# Altium PCB LimeNet-Micro_2v1.PcbDoc (part 11 of 11)
Units mm, origin at the board's own origin, x right, y up, seen from the top; angles counter-clockwise.
Board outline 75 x 143 mm, 6 copper layers (Top, L2, L3, L4, L5, Bottom), stack 1.583 mm thick; 795 components, 565 nets, 3646 pads, 1420 vias.
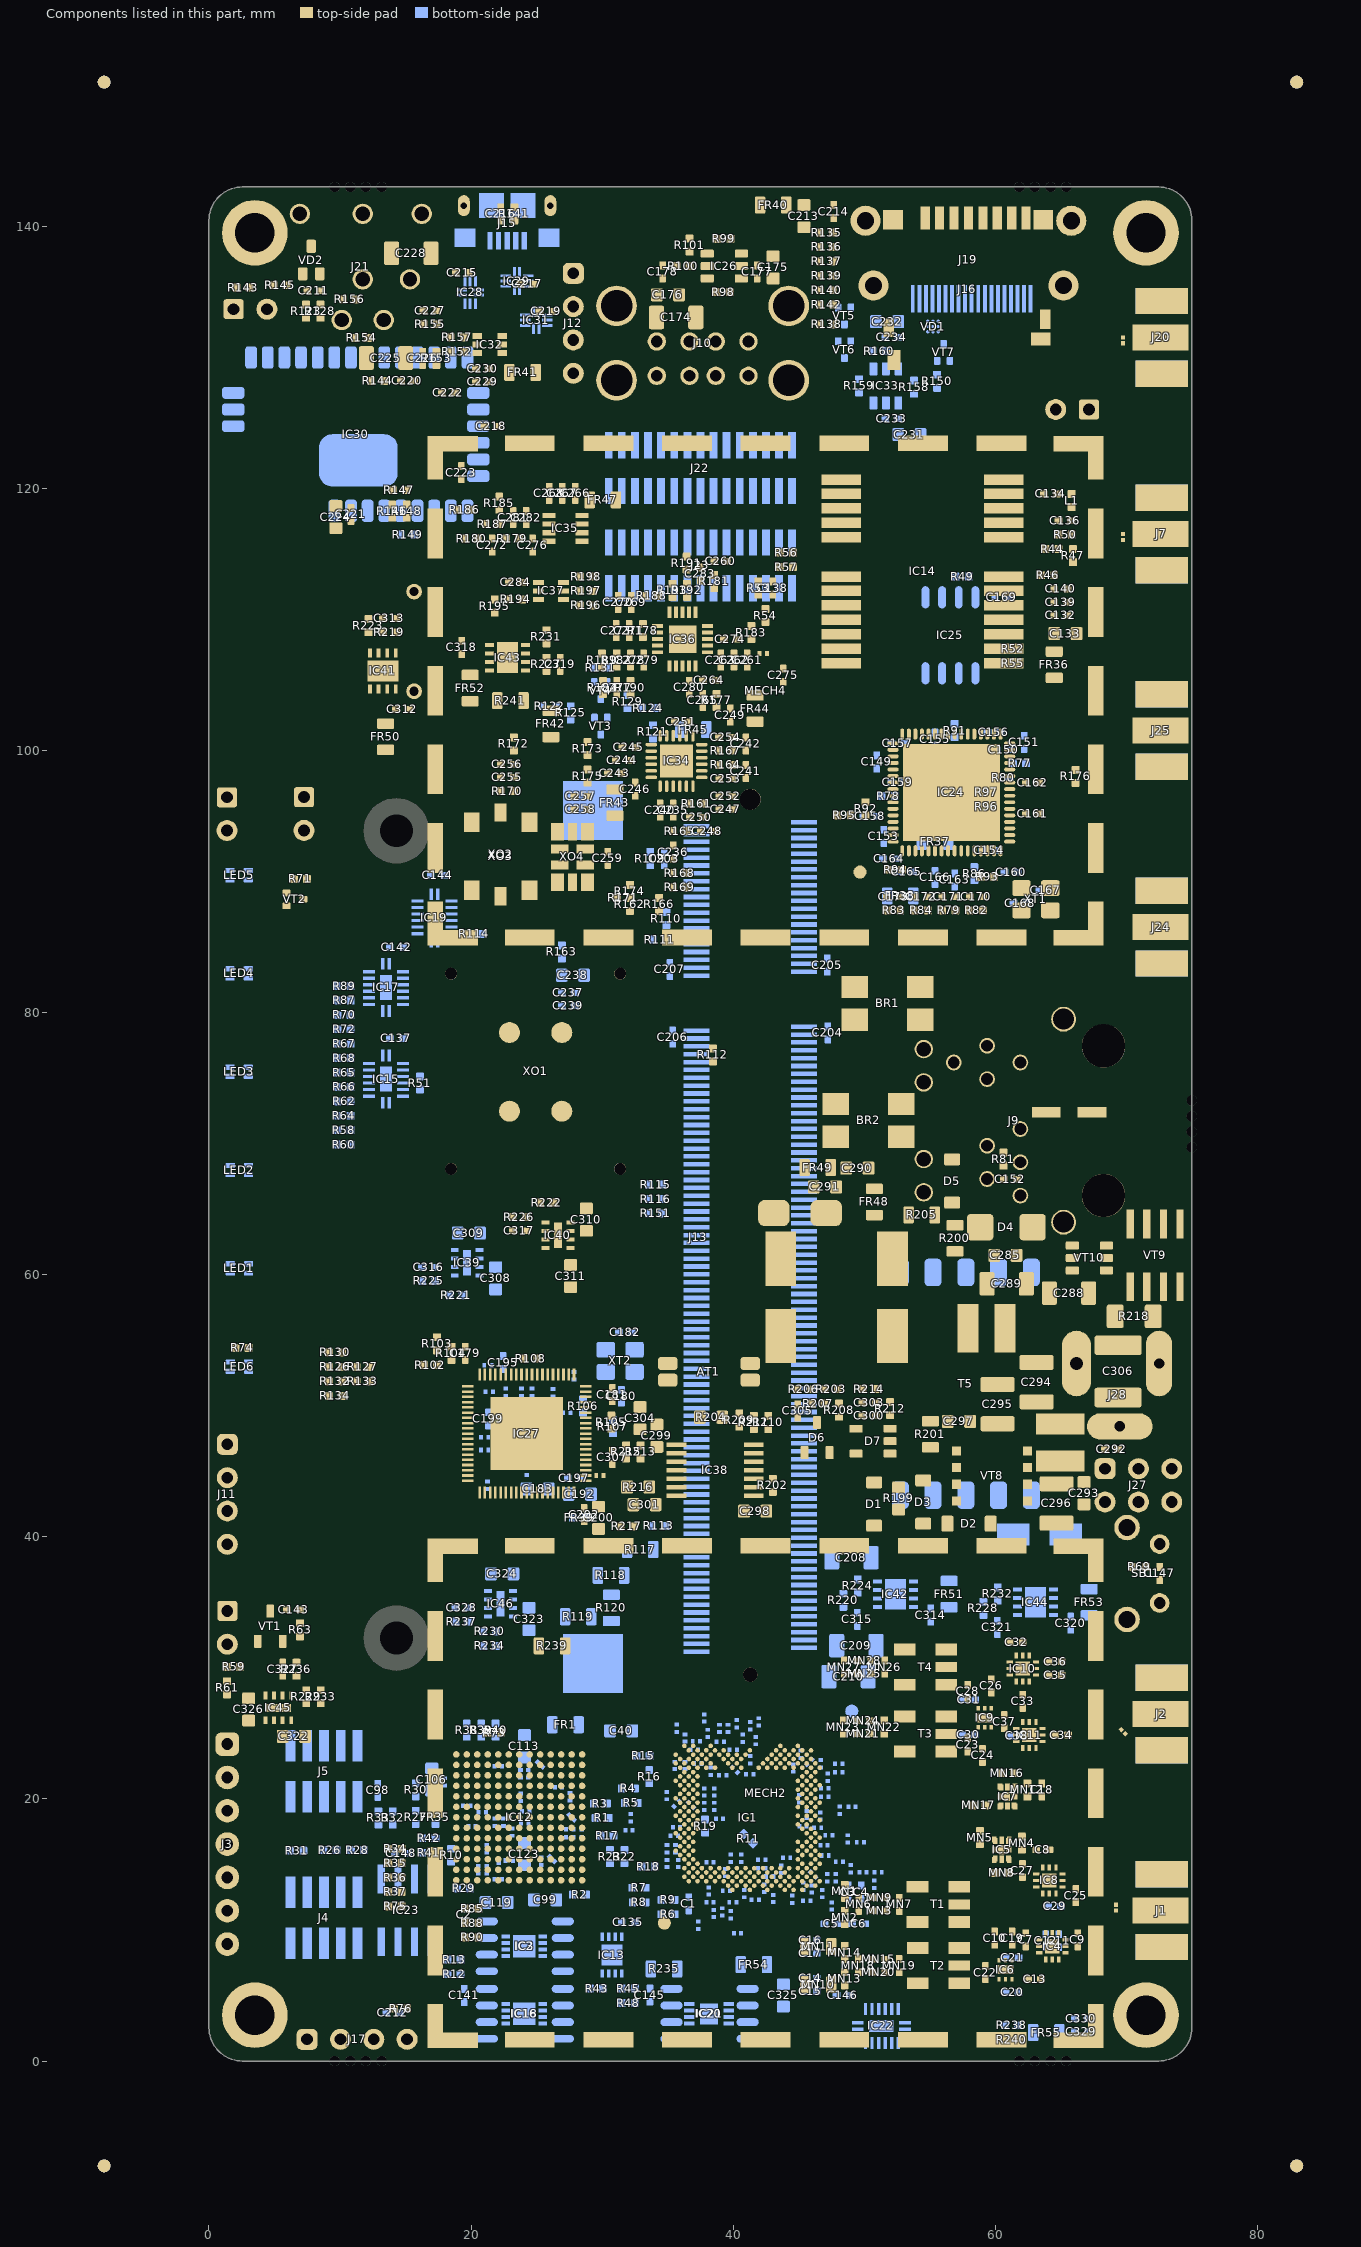
[diagram p15: the components of this part, seen from the top]

## Silkscreen, mask and mechanical layers (free items; w line width, h text height) (continued)
ASM BOT:
  circle w0.15: c73.45,45.2 r0.25
  circle w0.15: c73.475,42.625 r0.25
  circle w0.15: c67.15,126.025 r0.25
  lines w0.1: 17.325,13.65 18.477,15.7 ; 52.1,131.525 53.575,131.7 ; 67.275,124.3 69.322,123.763 ; 73.525,43.875 78,42.7
  lines w0.15: 14.889,19.865 15.772,18.594 ; 16.35,27.075 19.825,22.125 20.275,20.55 ; 16.772,14.6 16.772,15.894 ; 16.772,16.994 18.075,16.994 ; 18.95,32.2 21.405,32.775 ; 19.325,20.2 19.692,19.469 ; 19.65,17.15 20.097,17.894 ; 20.872,18.969 20.925,19.475 ; 22.097,13.869 22.85,13.6 ; 22.75,15.8 22.942,15.3 ; 23.25,20.6 23.822,20.119 ; 23.275,18.8 24.025,18.15 ; 24.197,19.069 24.975,19.2 ; 24.397,21.919 24.697,21.344 ; 25.372,15.244 25.825,14.525 ; 26.8,18.3 27.547,17.669 ; 27.45,20.35 27.978,21.131 ; 27.547,17.069 27.75,16.575 ; 27.697,18.594 28.025,19.025 ; 30.372,17.194 32.425,16.975 ; 31.3,14.275 31.697,15.594 ; 32.072,17.594 32.825,17.725 ; 46.575,36.75 49.505,36.75 49.505,36.254 ; 46.725,35.225 46.725,35.154 48.405,35.154
  lines w0.2: 48.95,18.275 75.4,18.275 ; 75.4,0.975 75.4,28.25 100.775,28.25 100.775,0.975 75.4,0.975
  lines w0.3: 0,2.54 ccw(c2.54,2.54) 2.54,0 72.46,0 ccw(c72.46,2.54) 75,2.54 75,140.46 ccw(c72.46,140.46) 72.46,143 2.54,143 ccw(c2.54,140.46) 0,140.46 0,2.54 ; 66.35,122.9 68,122.9 68,126.65 66.35,126.65 66.35,122.9 ; 72.65,42.075 72.65,45.825 74.3,45.825 74.3,42.075 72.65,42.075
  text "Assembly bottom" at 45.8,144.55 h1.25
  text "JMP1" at 70.725,122.675 h0.55
  text "JMP3" at 79.175,41.625 h0.55
ASM TOP:
  drawing of 761 lines, arcs and shapes, not listed
  text "Assembly top" at 33.375,143.875 h1.25
  text "IC36" at 5.625,108.45 h1
  text "or" at 21.8,90.65 h0.55
  text "IC34" at 3.3,74.625 h1

## Dimensions
14.3,32.275 to 14.9,36.125 on Mechanical1
14.3,93.875 to 14.3,32.275 on Mechanical1
3.5,139.5 to 14.3,93.875 on Mechanical1
3.5,3.5 to 71.5,3.5 on Mechanical1
2.54,0 to 2.54,143 on Mechanical1
-15.2,158.2 to -15.2,-15.2 on Mechanical1
0,2.54 to 75,2.54 on Mechanical1
-15.2,-15.2 to 90.2,-15.2 on Mechanical1
71.5,3.5 to 71.5,139.5 on Mechanical1
3.5,3.5 to 2.54,0 on Mechanical1
3.5,3.5 to 0,2.54 on Mechanical1

## Text inside footprints (layer, text, board x,y; h text height)
AT1: ASM TOP "4" at 34.45,51.225 h0.55; ASM TOP "1" at 41.625,51.225 h0.55
D1: ASM TOP "A" at 51.025,43.975 h0.55 r90; ASM TOP "C" at 51.025,40.6 h0.55 r90
D2: ASM TOP "A" at 56.2,40.725 h0.55; ASM TOP "C" at 59.65,40.75 h0.55
D3: ASM TOP "A" at 54.725,40.625 h0.55 r90; ASM TOP "C" at 54.775,44.225 h0.55 r90
D4: ASM TOP "A" at 62.325,63.35 h0.55; ASM TOP "C" at 58.95,63.35 h0.55
D5: ASM TOP "C" at 56.5,68.525 h0.55; ASM TOP "A" at 56.6,65.2 h0.55
IC1: Mechanical1 "0.2mm/0.5mm hole/ring vias under   / pad to be left open (no metal cap)" at 34.078,22.856 h0.35; ASM TOP "1) paste/pad ratio ~60% / 2) 4 thermal pad vias  / without metal cap / 3) all other thermal pad  / vias with metal cap" at 35.853,12.631 h0.4; ASM TOP "Footprint revision: r5" at 35.203,23.906 h0.4; ASM TOP "Pad size = 0.35mm / Pad paste mask = 0.35mm / No AM2 pad" at 36.628,21.506 h0.4
IC5: Mechanical13 "7" at 60.975,16.675 h0.2 r270; Mechanical13 "5" at 60.975,15.725 h0.2 r270; Mechanical13 "3" at 59.825,15.725 h0.2 r270; Mechanical13 "1" at 59.825,16.675 h0.2 r270; Mechanical13 "1" at 59.95,16.55 h0.2 r270; Mechanical13 "3" at 59.95,15.825 h0.2 r270; Mechanical13 "5" at 60.875,15.825 h0.2 r270; Mechanical13 "7" at 60.87,16.55 h0.2 r270
IC7: Mechanical13 "7" at 61.403,20.73 h0.2 r270; Mechanical13 "5" at 61.403,19.78 h0.2 r270; Mechanical13 "3" at 60.253,19.78 h0.2 r270; Mechanical13 "1" at 60.253,20.73 h0.2 r270; Mechanical13 "1" at 60.378,20.605 h0.2 r270; Mechanical13 "3" at 60.378,19.88 h0.2 r270; Mechanical13 "5" at 61.303,19.88 h0.2 r270; Mechanical13 "7" at 61.298,20.605 h0.2 r270
IC30: ASM BOT "14" at 20.225,129.6 h0.55; ASM BOT "29" at 10.05,117.925 h0.55; ASM BOT "21" at 20.25,117.95 h0.55; ASM BOT "1" at 3.4,129.6 h0.55; Mechanical13 "NO GND" at 3.8,121.64 h0.55 r180
J4: BottomOverlay "1" at 6.3,14.7 h0.55; BottomOverlay "9" at 11.55,14.725 h0.55; BottomOverlay "2" at 6.375,6.65 h0.55; BottomOverlay "10" at 11.825,6.6 h0.55
J5: BottomOverlay "1" at 6.25,26.075 h0.55; BottomOverlay "9" at 11.575,26.072 h0.55; BottomOverlay "2" at 6.35,17.716 h0.55; BottomOverlay "10" at 11.75,17.694 h0.55
J9: ASM BOT "Assembly Note: solder plated holes" at 67.725,62.95 h0.55 r270; ASM BOT "11" at 56.675,75.825 h0.55 r270; ASM BOT "10" at 59.15,76.975 h0.55 r270; ASM BOT "9" at 61.6,76.025 h0.55 r270; ASM BOT "8" at 59.075,74.725 h0.55 r270; ASM BOT "5" at 61.65,70.95 h0.55 r270; ASM BOT "4" at 59.088,69.625 h0.55 r270; ASM BOT "3" at 61.65,68.4 h0.55 r270; ASM BOT "2" at 59.125,67.075 h0.55 r270; ASM BOT "1" at 61.675,65.925 h0.55 r270; ASM BOT "board edge" at 71.875,69.125 h0.55 r270; ASM BOT "7 / (C)" at 53.9,65.65 h0.55 r270; ASM BOT "13 / (C)" at 53.725,73.975 h0.55 r270; ASM BOT "12 / (A)" at 53.85,76.425 h0.55 r270; ASM BOT "6 / (A)" at 53.85,68.2 h0.55 r270
J10: ASM BOT "T1" at 34.7,128.025 h0.55; ASM BOT "B1" at 34.625,130.825 h0.55; ASM BOT "B4" at 41.775,130.8 h0.55; ASM BOT "T4" at 41.775,128.1 h0.55; ASM BOT "PCB edge" at 39.625,139.65 h0.55
J13: ASM BOT "1" at 45.65,94 h0.55 r270; ASM BOT "2" at 37.15,94 h0.55 r270; ASM BOT "40" at 37.15,81.5 h0.55 r270; ASM BOT "39" at 45.15,82 h0.55 r270; ASM BOT "41" at 45.15,78.5 h0.55 r270; ASM BOT "42" at 37.15,78.5 h0.55 r270; ASM BOT "200" at 37.15,29.5 h0.55 r270; ASM BOT "199" at 45.15,29.5 h0.55 r270
J16: ASM TOP "8" at 62.075,139.25 h0.55; ASM TOP "1" at 54.525,139.25 h0.55
J19: ASM BOT "1" at 62.875,135.125 h0.55; ASM BOT "PCB edge" at 59.925,140.025 h0.55; ASM BOT "19" at 53.5,135.2 h0.55
J21: ASM BOT "Board edge" at 14.435,140.25 h0.55; ASM BOT "5" at 13.435,133.95 h0.55; ASM BOT "4" at 15.135,140.65 h0.55; ASM BOT "3" at 10.235,133.95 h0.55; ASM BOT "2" at 15.535,137.05 h0.55; ASM BOT "1" at 8.235,140.65 h0.55; BottomOverlay "1" at 5.85,141.075 h0.55; BottomOverlay "2" at 17.735,135.65 h0.55; BottomOverlay "3" at 10.235,131.25 h0.55; BottomOverlay "4" at 17.735,140.55 h0.55; BottomOverlay "5" at 13.435,131.15 h0.55
J22: ASM BOT "1" at 30,123.05 h0.55; ASM BOT "15" at 46,123.05 h0.55; ASM BOT "1" at 30,119.55 h0.55; ASM BOT "15" at 46,119.55 h0.55; BottomOverlay "1" at 29.8,118.75 h0.55; BottomOverlay "15" at 46.4,123.55 h0.55; BottomOverlay "1" at 29.8,123.55 h0.55; BottomOverlay "15" at 46.4,118.75 h0.55
J23: ASM BOT "1" at 30,112.125 h0.55; ASM BOT "1" at 30,115.625 h0.55; ASM BOT "15" at 46,112.125 h0.55; ASM BOT "15" at 46,115.625 h0.55; BottomOverlay "1" at 29.8,111.325 h0.55; BottomOverlay "15" at 46.4,116.125 h0.55; BottomOverlay "15" at 46.4,111.325 h0.55; BottomOverlay "1" at 29.8,116.125 h0.55
L2: ASM TOP "No polarity" at 57.725,54.2 h0.3
L3: ASM TOP "No polarity" at 63.35,48.175 h0.3
LED1: ASM BOT "C" at 1.65,60.225 h0.55; ASM BOT "A" at 3.25,60.275 h0.55
LED2: ASM BOT "A" at 3.45,67.712 h0.55; ASM BOT "C" at 1.65,67.712 h0.55
LED3: ASM BOT "A" at 3.425,75.212 h0.55; ASM BOT "C" at 1.625,75.212 h0.55
LED4: ASM BOT "A" at 3.425,82.712 h0.55; ASM BOT "C" at 1.625,82.712 h0.55
LED5: ASM BOT "A" at 3.425,90.212 h0.55; ASM BOT "C" at 1.625,90.212 h0.55
LED6: ASM BOT "C" at 1.6,52.675 h0.55; ASM BOT "A" at 3.4,52.7 h0.55
LS1: ASM BOT "positive (longer pin)" at 17.15,103.15 h0.55 r270
MECH2: ASM TOP "RF shield (frame + cover)" at 20.125,1.25 h0.55
MECH4: ASM TOP "RF shield (frame + cover)" at 20.425,85.35 h0.55
SB1: ASM BOT "Board edge" at 72.825,34.425 h0.55 r270
T1: Mechanical13 "NC" at 58.451,12.149 h0.2 r270; Mechanical13 "Sec" at 58.451,10.949 h0.2 r270; Mechanical13 "Sec*" at 58.451,13.649 h0.2 r270; Mechanical13 "Pri" at 52.651,10.849 h0.2 r270; Mechanical13 "Pri*" at 52.651,13.649 h0.2 r270
T2: Mechanical13 "NC" at 58.461,7.474 h0.2 r270; Mechanical13 "Sec" at 58.461,6.274 h0.2 r270; Mechanical13 "Sec*" at 58.461,8.974 h0.2 r270; Mechanical13 "Pri" at 52.661,6.174 h0.2 r270; Mechanical13 "Pri*" at 52.661,8.974 h0.2 r270
T3: Mechanical13 "NC" at 57.481,25.153 h0.2 r270; Mechanical13 "Sec" at 57.481,23.953 h0.2 r270; Mechanical13 "Sec*" at 57.481,26.653 h0.2 r270; Mechanical13 "Pri" at 51.681,23.853 h0.2 r270; Mechanical13 "Pri*" at 51.681,26.653 h0.2 r270
T4: Mechanical13 "NC" at 57.481,30.253 h0.2 r270; Mechanical13 "Sec" at 57.481,29.053 h0.2 r270; Mechanical13 "Sec*" at 57.481,31.753 h0.2 r270; Mechanical13 "Pri" at 51.681,28.953 h0.2 r270; Mechanical13 "Pri*" at 51.681,31.753 h0.2 r270
T5: ASM BOT "1" at 63.125,59.95 h0.55; ASM BOT "6" at 53.2,42.675 h0.55; ASM BOT "5" at 52.9,60.075 h0.55; ASM BOT "10" at 63.4,42.6 h0.55
VD1: ASM BOT "C3" at 54.675,132.4 h0.25 r270; ASM BOT "A1" at 55.2,131.825 h0.25 r270
VD3: ASM TOP "C" at 46.9,64.5 h0.55; ASM TOP "A" at 42.9,64.5 h0.55
VD4: ASM BOT "C" at 65.875,39.85 h0.55; ASM BOT "A" at 61.3,39.925 h0.55
VT2: ASM TOP "S" at 5.86,88.039 h0.3; ASM TOP "D" at 7.16,88.539 h0.3; ASM TOP "G" at 5.86,89.039 h0.3
VT3: ASM BOT "G" at 29.5,102.375 h0.3; ASM BOT "D" at 30.025,101.05 h0.3; ASM BOT "S" at 30.475,102.4 h0.3
VT4: ASM BOT "S" at 30.475,105.075 h0.3; ASM BOT "D" at 30,103.75 h0.3; ASM BOT "G" at 29.5,105.075 h0.3
VT5: ASM BOT "G" at 48.093,133.858 h0.3 r90; ASM BOT "D" at 48.593,132.558 h0.3 r90; ASM BOT "S" at 49.093,133.858 h0.3 r90
VT6: ASM BOT "G" at 48.093,131.288 h0.3 r90; ASM BOT "D" at 48.593,129.988 h0.3 r90; ASM BOT "S" at 49.093,131.288 h0.3 r90
VT7: ASM BOT "G" at 56.45,129.68 h0.3 r270; ASM BOT "D" at 55.95,130.98 h0.3 r270; ASM BOT "S" at 55.45,129.68 h0.3 r270
XO1: TopOverlay "OCXO" at 20.7,74.15 h0.7 r90